# Altium PCB AUAV_X05.PcbDoc (part 5 of 5)
Units mm, origin at the board's own origin, x right, y up, seen from the top; angles counter-clockwise.
Board outline 44.99 x 99.99 mm, 4 copper layers (Top Layer, Int1 Layer, Int2 Layer, Bottom Layer), stack 1.587 mm thick; 376 components, 270 nets, 1466 pads, 1242 vias.
Unrouted connection lines stored in the file: 2.
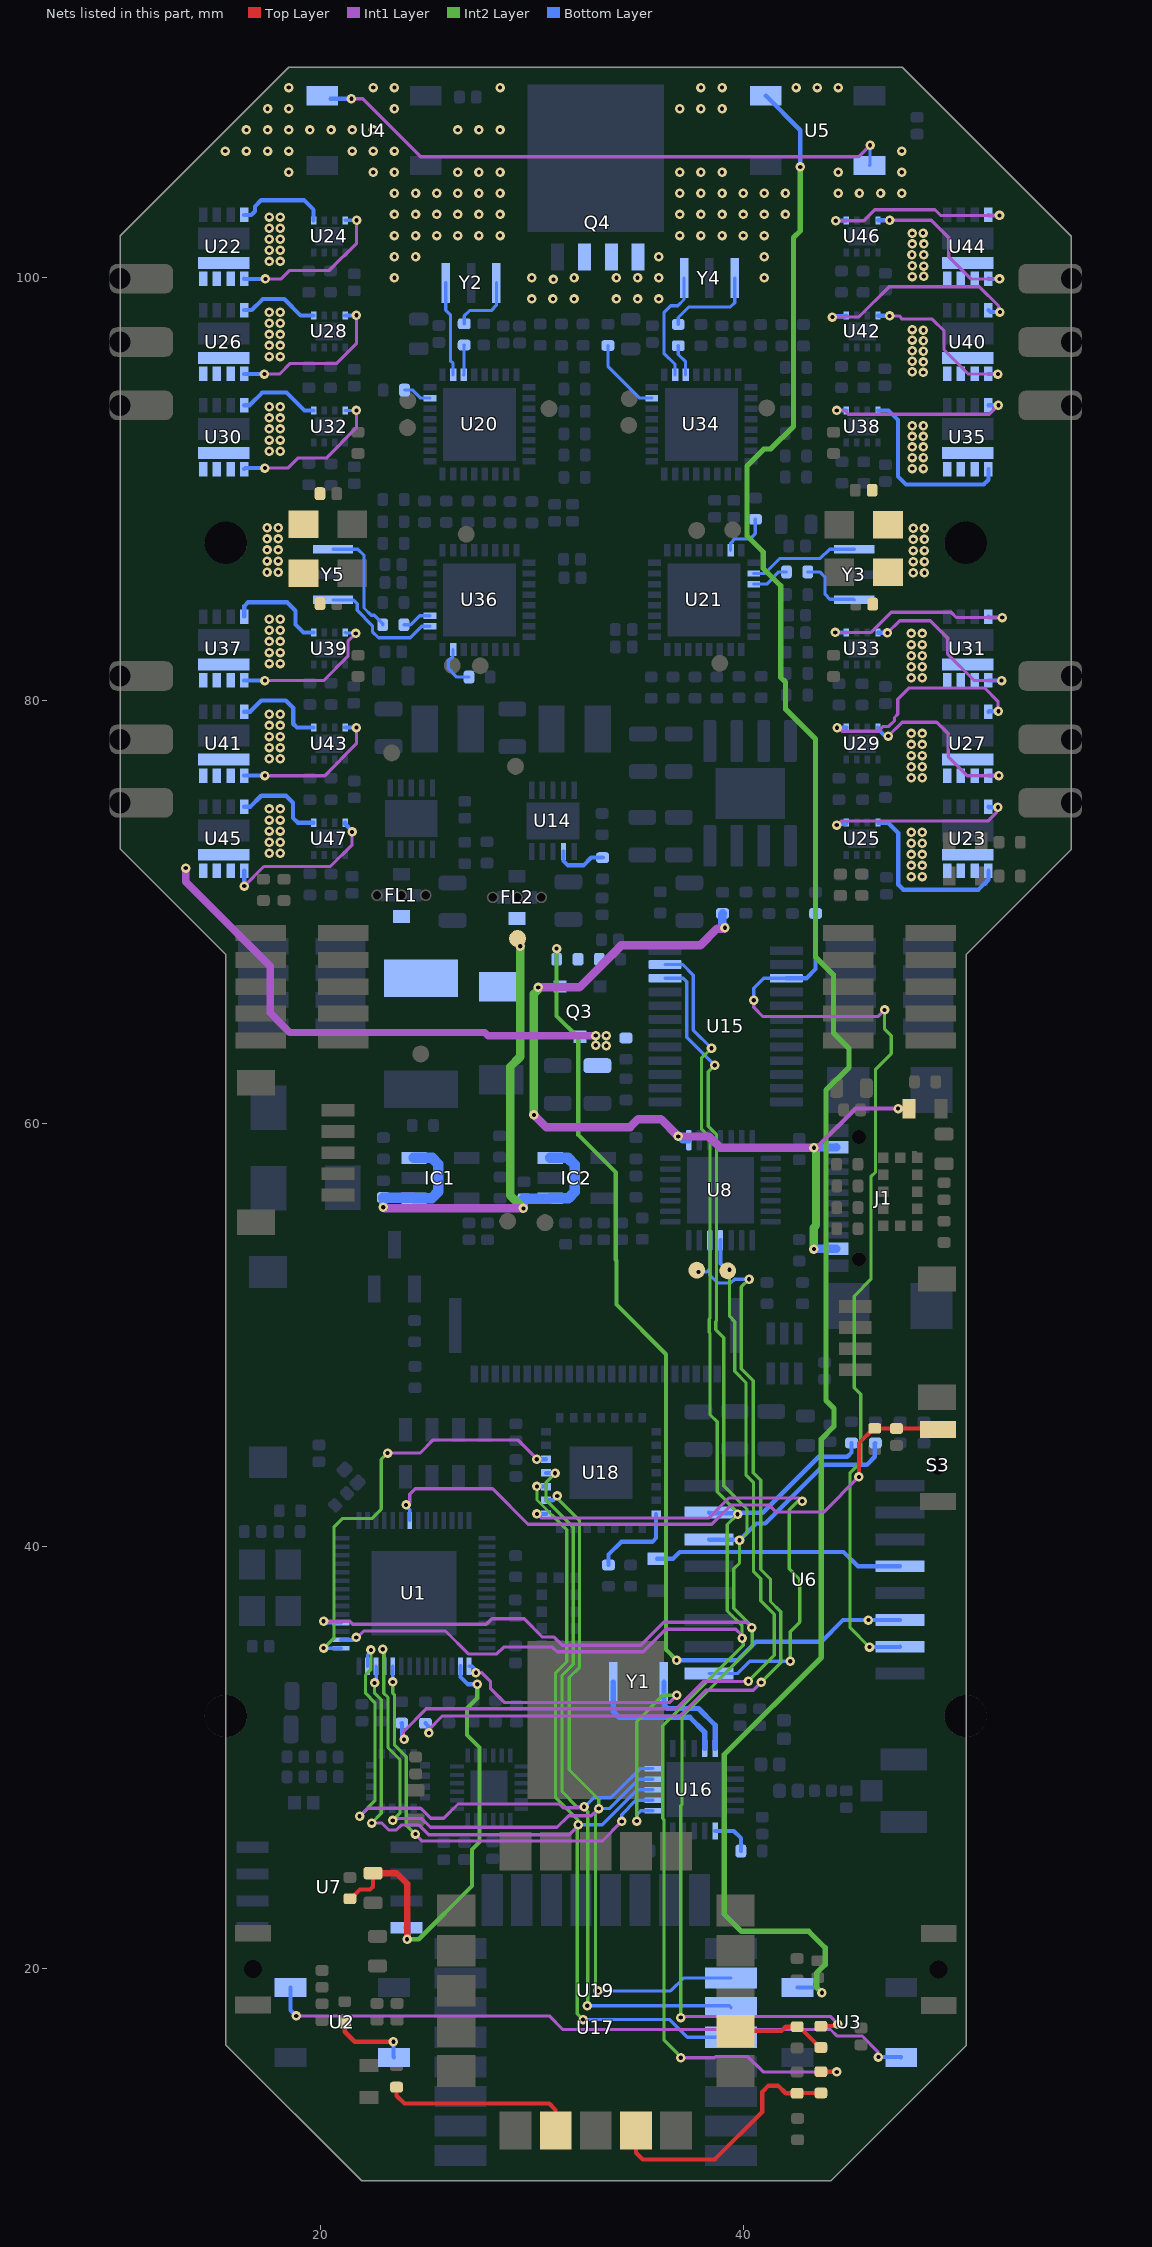
[diagram p7: the nets of this part, all layers, seen from the top]

## Via types
v1: diameter 0.45, hole 0.2, Top Layer to Bottom Layer, tented both sides, 1213 vias
v2: diameter 0.5, hole 0.25, Top Layer to Bottom Layer, 24 vias
v3: diameter 0.45, hole 0.2, Top Layer to Bottom Layer, 5 vias

## Nets (pads, with @x,y where several pads share a name; then routed paths per layer and width w, separated by ;. In a path a pad name is that pad's centre, name@x,y a point inside that pad or via, vN(x,y) a via of type N, cw(c..) or ccw(c..) an arc to the next point about the centre after c; other vN are vias at no path point) (continued)
NetR33_P$2: R33.P$2 U14.7 | length 2.5
  Bottom Layer w0.2: U14.7@31.5,72.866 31.5,72.417 31.71,72.207 32.446,72.207 32.81,72.572 R33.P$2@33.35,72.572
NetR62_P$2: R62.P$2 U16.16 | length 2
  Bottom Layer w0.2: U16.16@38.675,26.525 39.55,26.525 39.892,26.183 R62.P$2@39.892,25.575
NetR65_P$2: R65.P$2 U18.7 | length 4.2
  Bottom Layer w0.2: R65.P$2@33.625,39.108 33.625,39.6 34.227,40.202 35.702,40.202 35.879,40.379 U18.7@35.879,41.514
NetR66_P$1: R66.P$1 R68.P$2 U19.12 | length 4.5
  Top Layer w0.2: U19.12@39.625,17.064 41.814,17.064 42.013,17.263 R66.P$1@42.55,17.263 42.688,17.126 42.779,17.126 43.624,16.281 R68.P$2@43.675,16.281
NetR67_P$1: R67.P$1 R69.P$2 U19.9 | length 12.1
  Top Layer w0.2: U19.9@34.925,12.364 34.925,11.3 35.25,10.975 38.65,10.975 40.9,13.225 40.9,14.175 41.2,14.475 41.65,14.475 42.011,14.114 R67.P$1@42.55,14.114 42.559,14.122 43.667,14.122 R69.P$2@43.675,14.131
NetR70_P$2: R70.P$2 U19.7 | length 9.2
  Top Layer w0.2: R70.P$2@23.6,14.406 23.6,14 23.975,13.625 30.825,13.625 31.125,13.325 U19.7@31.125,12.364
NetR71_P$1: R71.P$1 U20.3 | length 1.4
  Bottom Layer w0.153: U20.3@26.775,95.413 26.788,95.426 26.788,96.807 R71.P$1@26.8,96.819
NetR71_P$2: R71.P$2 Y2.1 | length 3.2
  Bottom Layer w0.153: R71.P$2@26.8,97.827 26.8,98.2 27.05,98.45 28.075,98.45 28.325,98.7 Y2.1@28.325,99.763
NetR72_P$1: R72.P$1 U21.3 | length 1.8
  Bottom Layer w0.153: U21.3@40.5,85.514 41.114,85.514 41.688,86.088 R72.P$1@42.05,86.088
NetR72_P$2: R72.P$2 Y3.1 | length 3.2
  Bottom Layer w0.153: R72.P$2@43.058,86.088 43.612,86.088 43.875,85.825 43.875,85.025 44.1,84.8 45.214,84.8 Y3.1@45.25,84.763
NetR77_P$1: R77.P$1 U20.31 | length 1.4
  Bottom Layer w0.153: R77.P$1@23.975,94.688 24.361,94.688 24.736,94.314 U20.31@25.175,94.314
NetR78_P$1: R78.P$1 U21.31 | length 2.4
  Bottom Layer w0.153: U21.31@39.401,87.113 39.401,87.447 39.604,87.65 40.325,87.65 40.575,87.9 R78.P$1@40.575,88.575
NetR109_P$1: R109.P$1 U34.3 | length 1.5
  Bottom Layer w0.153: R109.P$1@36.925,96.789 36.925,96.375 37.275,96.025 U34.3@37.275,95.413
NetR109_P$2: R109.P$2 Y4.1 | length 4.5
  Bottom Layer w0.153: R109.P$2@36.925,97.796 36.925,98.125 37.421,98.621 39.396,98.621 39.6,98.825 Y4.1@39.6,99.988
NetR110_P$1: R110.P$1 U36.3 | length 1.4
  Bottom Layer w0.153: R110.P$1@23.95,83.588 24.263,83.588 24.688,84.013 U36.3@25.175,84.013
NetR110_P$2: R110.P$2 Y5.1 | length 5.3
  Bottom Layer w0.153: Y5.1@20.6,87.163 21.768,87.163 22.059,86.872 22.059,84.379 22.397,84.042 22.54,84.042 22.942,83.639 R110.P$2@22.942,83.588
NetR115_P$1: R115.P$1 U34.31 | length 3.7
  Bottom Layer w0.153: R115.P$1@33.6,96.8 33.6,95.825 35.111,94.314 U34.31@35.675,94.314
NetR116_P$1: R116.P$1 U36.31 | length 2.1
  Bottom Layer w0.153: U36.31@26.275,82.413 26.275,82.107 26.046,81.878 26.046,81.522 26.455,81.114 R116.P$1@27.025,81.114
NetR148_P$2: R148.P$2 U2.4 | length 3.7
  Top Layer w0.2: R148.P$2@21.15,17.442 21.15,17.025 21.625,16.55 v1(23.45,16.55)
  Bottom Layer w0.2: v1(23.45,16.55) 23.45,15.844 U2.4@23.48,15.814
NetU2_2: U2.2 U3.4 | length 31
  Int1 Layer w0.153: v1(18.85,17.775) 30.825,17.775 31.468,17.132 44.129,17.132 44.432,16.829 45.621,16.829 46.362,16.088 46.362,15.863 v1(46.4,15.825)
  Bottom Layer w0.2: U2.2@18.58,19.114 18.58,18.045 v1(18.85,17.775) ; v1(46.4,15.825) 47.459,15.825 U3.4@47.47,15.814
NetU3_2: U3.2 U5.4 | length 101.8
  Int2 Layer w0.25: v1(42.7,105.25) 42.7,102.225 42.375,101.9 42.375,92.975 41.3,91.9 40.975,91.9 40.175,91.1 40.175,87.8 40.95,87.025 40.95,86.258 41.773,85.436 41.773,81.102 42.004,80.871 42.004,79.596 43.425,78.175 43.425,67.875 44.275,67.025 44.275,64.275 45,63.55 45,62.65 43.92,61.57 43.92,46.89 44.298,46.513 44.298,45.673 43.696,45.071 43.696,34.726 39.1,30.13 39.1,22.6 39.925,21.775 43.1,21.775 43.875,21 43.875,20.2 43.475,19.8 43.475,19.125 v1(43.725,18.875)
  Bottom Layer w0.2: U5.4@41.07,108.614 42.7,106.984 v1(42.7,105.25) ; U3.2@42.57,19.114 43.486,19.114 v1(43.725,18.875)
NetU4_4: U4.4 U5.2 | length 27.9
  Int1 Layer w0.153: v1(21.464,108.475) 22,108.475 24.75,105.725 45.456,105.725 v1(46.004,106.273)
  Bottom Layer w0.153: U5.2@45.97,105.314 46.004,105.348 v1(46.004,106.273)
  Bottom Layer w0.2: U4.4@20.475,108.475 v1(21.464,108.475)
NetU16_9: U16.9 Y1.1 | length 6.9
  Bottom Layer w0.25: Y1.1@33.85,33.575 33.85,32.175 34.123,31.902 37.473,31.902 38.175,31.2 U16.9@38.175,30.425
NetU16_10: U16.10 Y1.3 | length 5
  Bottom Layer w0.25: Y1.3@36.25,33.575 36.25,32.5 36.431,32.319 37.881,32.319 38.675,31.525 U16.10@38.675,30.425
NetU20_2: U20.2 Y2.3 | length 4.5
  Bottom Layer w0.153: Y2.3@25.925,99.763 25.925,98.475 26.15,98.25 26.15,96.075 26.275,95.95 U20.2@26.275,95.413
NetU21_2: U21.2 Y3.3 | length 5.2
  Bottom Layer w0.153: U21.2@40.5,86.014 41.029,86.014 41.74,86.725 43.65,86.725 44.088,87.163 Y3.3@45.25,87.163
NetU22_1: U22.1 U24.8 | length 7.6
  Int1 Layer w0.153: v1(17.4,99.95) 18.15,99.95 18.55,100.35 20.426,100.35 21.71,101.634 v1(21.71,102.72)
  Bottom Layer w0.153: U24.8@21.175,102.722 21.176,102.721 v1(21.71,102.72) v1(21.71,102.72)
  Bottom Layer w0.2: U22.1@16.4,99.952 16.402,99.95 v1(17.4,99.95)
NetU22_8: U22.8 U24.5 | length 4.4
  Bottom Layer w0.2: U22.8@16.4,102.975 16.725,102.975 16.9,103.15 16.9,103.375 17.2,103.675 19.225,103.675 19.675,103.225 U24.5@19.675,102.722
NetU23_1: U23.1 U25.8 | length 8.6
  Bottom Layer w0.2: U25.8@46.375,74.223 46.852,74.223 47.332,73.743 47.332,71.293 47.57,71.055 51.131,71.055 51.6,71.524 U23.1@51.6,71.952
NetU23_8: U23.8 U25.5 | length 9.1
  Int1 Layer w0.153: v1(44.423,74.112) 44.492,74.182 44.524,74.182 44.642,74.3 51.575,74.3 51.875,74.6 51.986,74.711 51.986,74.737 52.003,74.753 52.003,74.903 v1(52.05,74.95)
  Bottom Layer w0.2: v1(44.423,74.112) 44.48,74.17 44.848,74.17 44.875,74.197 U25.5@44.875,74.223 ; U23.8@51.6,74.974 51.624,74.95 v1(52.05,74.95)
NetU26_1: U26.1 U28.8 | length 7.8
  Int1 Layer w0.153: v1(17.35,95.45) 18.075,95.45 18.575,95.95 20.775,95.95 21.7,96.875 v1(21.7,98.225)
  Bottom Layer w0.2: U26.1@16.4,95.452 16.402,95.45 v1(17.35,95.45) ; U28.8@21.175,98.222 21.177,98.224 v1(21.7,98.225) v1(21.7,98.225)
NetU26_8: U26.8 U28.5 | length 3.8
  Bottom Layer w0.2: U26.8@16.4,98.475 16.75,98.475 17.275,99 18.286,99 19.064,98.222 U28.5@19.675,98.222
NetU27_1: U27.1 U29.8 | length 8.4
  Int1 Layer w0.153: v1(46.865,78.324) 46.869,78.324 47.519,78.975 49.15,78.975 49.7,78.425 49.7,77.35 50.6,76.45 v1(52.1,76.45)
  Bottom Layer w0.2: U29.8@46.375,78.722 46.402,78.695 46.402,78.631 46.661,78.372 46.817,78.372 v1(46.865,78.324) ; U27.1@51.6,76.453 51.603,76.45 v1(52.1,76.45)
NetU27_8: U27.8 U29.5 | length 10.7
  Int1 Layer w0.153: v1(44.439,78.711) 44.516,78.711 44.677,78.55 46.387,78.55 46.615,78.778 46.891,78.778 47.156,79.044 47.156,79.201 47.316,79.36 47.316,80.068 47.848,80.6 51.415,80.6 52.049,79.966 52.049,79.526 v1(52.075,79.5)
  Bottom Layer w0.2: v1(44.439,78.711) 44.446,78.718 44.872,78.718 U29.5@44.875,78.722 ; U27.8@51.6,79.475 51.625,79.5 v1(52.075,79.5)
NetU30_1: U30.1 U32.8 | length 7.5
  Int1 Layer w0.153: v1(17.375,91) 18.45,91 18.925,91.475 20.274,91.475 21.7,92.901 v1(21.7,93.725)
  Bottom Layer w0.153: U32.8@21.175,93.722 U32.8@21.175,93.722 21.699,93.724 v1(21.7,93.725)
  Bottom Layer w0.2: U30.1@16.4,90.952 16.448,91 v1(17.375,91)
NetU30_8: U30.8 U32.5 | length 3.9
  Bottom Layer w0.2: U30.8@16.4,93.975 16.65,93.975 17.25,94.575 18.389,94.575 19.242,93.722 U32.5@19.675,93.722
NetU31_1: U31.1 U33.8 | length 8.3
  Int1 Layer w0.153: v1(46.825,83.2) 47.4,83.775 48.85,83.775 49.675,82.95 49.675,82.2 50.925,80.95 v1(52.225,80.95)
  Bottom Layer w0.2: U33.8@46.375,83.223 46.386,83.211 46.814,83.211 v1(46.825,83.2) ; U31.1@51.6,80.952 51.602,80.95 v1(52.225,80.95)
NetU31_8: U31.8 U33.5 | length 9.6
  Int1 Layer w0.153: v1(44.35,83.225) 46.05,83.225 47,84.175 49.842,84.175 50.092,83.925 v1(52.25,83.925)
  Bottom Layer w0.2: v1(44.35,83.225) 44.351,83.224 U33.5@44.875,83.223 U33.5@44.875,83.223 ; U31.8@51.6,83.974 51.649,83.925 v1(52.25,83.925)
NetU34_2: U34.2 Y4.3 | length 5.4
  Bottom Layer w0.153: U34.2@36.775,95.413 36.775,95.9 36.25,96.425 36.25,98.35 36.575,98.675 36.899,98.675 37.2,98.976 Y4.3@37.2,99.988
NetU35_1: U35.1 U38.8 | length 8.8
  Bottom Layer w0.2: U38.8@46.375,93.722 46.879,93.722 47.325,93.277 47.325,90.6 47.7,90.225 51.375,90.225 51.6,90.45 U35.1@51.6,90.952
NetU35_8: U35.8 U38.5 | length 8.8
  Int1 Layer w0.153: v1(44.425,93.725) 44.798,93.725 44.973,93.55 51.65,93.55 v1(52.075,93.975)
  Bottom Layer w0.2: v1(44.425,93.725) 44.426,93.724 U38.5@44.875,93.722 U38.5@44.875,93.722 ; U35.8@51.6,93.975 v1(52.075,93.975)
NetU36_2: U36.2 Y5.3 | length 5.9
  Bottom Layer w0.153: Y5.3@20.6,84.763 21.558,84.763 21.738,84.583 21.738,84.269 22.459,83.548 22.459,83.263 22.748,82.975 24.25,82.975 24.788,83.513 U36.2@25.175,83.513
NetU37_1: U37.1 U39.8 | length 7.1
  Int1 Layer w0.153: v1(17.375,80.95) 20.159,80.95 21.3,82.091 21.3,82.799 21.673,83.172 v1(21.673,83.177)
  Bottom Layer w0.153: U39.8@21.175,83.222 21.198,83.2 21.65,83.2 v1(21.673,83.177)
  Bottom Layer w0.2: U37.1@16.4,80.952 16.402,80.95 v1(17.375,80.95)
NetU37_8: U37.8 U39.5 | length 4.8
  Bottom Layer w0.2: U37.8@16.4,83.974 16.4,84.475 16.575,84.65 18.425,84.65 18.825,84.25 18.825,83.6 19.203,83.222 U39.5@19.675,83.222
NetU40_1: U40.1 U42.8 | length 7.8
  Int1 Layer w0.153: v1(46.925,98.2) 47.375,98.2 47.525,98.05 48.95,98.05 49.5,97.5 49.5,96.6 50.65,95.45 v1(52.05,95.45)
  Bottom Layer w0.2: U42.8@46.375,98.222 46.386,98.211 46.914,98.211 v1(46.925,98.2) ; U40.1@51.6,95.452 51.602,95.45 v1(52.05,95.45)
NetU40_8: U40.8 U42.5 | length 10.4
  Int1 Layer w0.153: v1(44.223,98.146) 45.471,98.146 46.9,99.575 51.175,99.575 52.078,98.672 52.078,98.617 52.091,98.604 52.091,98.436 v1(52.148,98.379)
  Bottom Layer w0.2: v1(44.223,98.146) 44.261,98.184 44.848,98.184 44.875,98.211 U42.5@44.875,98.222 ; U40.8@51.6,98.475 51.696,98.379 v1(52.148,98.379)
NetU41_1: U41.1 U43.8 | length 7.2
  Int1 Layer w0.153: v1(17.375,76.45) 20.195,76.45 21.7,77.955 v1(21.7,78.725)
  Bottom Layer w0.2: U41.1@16.4,76.453 16.403,76.45 v1(17.375,76.45) ; U43.8@21.175,78.722 21.177,78.724 v1(21.7,78.725) v1(21.7,78.725)
NetU41_8: U41.8 U43.5 | length 4.5
  Bottom Layer w0.2: U41.8@16.4,79.475 16.675,79.475 17.2,80 18.358,80 18.714,79.643 18.714,78.905 18.897,78.722 U43.5@19.675,78.722
NetU44_1: U44.1 U46.8 | length 8
  Int1 Layer w0.153: v1(46.925,102.725) 48.9,102.725 49.725,101.9 49.725,101 50.775,99.95 v1(52.125,99.95)
  Bottom Layer w0.2: U46.8@46.375,102.722 46.377,102.724 46.924,102.724 v1(46.925,102.725) ; U44.1@51.6,99.952 51.602,99.95 v1(52.125,99.95)
NetU44_8: U44.8 U46.5 | length 9.1
  Int1 Layer w0.153: v1(44.375,102.7) 45.7,102.7 46.225,103.225 49.075,103.225 49.35,102.95 v1(52.125,102.95)
  Bottom Layer w0.2: v1(44.375,102.7) 44.386,102.711 44.864,102.711 U46.5@44.875,102.722 ; U44.8@51.6,102.975 51.625,102.95 v1(52.125,102.95)
NetU45_1: U45.1 U47.8 | length 7.8
  Int1 Layer w0.153: v1(16.4,71.225) 17.325,72.15 20.472,72.15 21.498,73.175 v1(21.498,73.788)
  Bottom Layer w0.2: v1(16.4,71.225) U45.1@16.4,71.952 ; U47.8@21.175,74.222 21.175,74.159 21.498,73.836 v1(21.498,73.788)
NetU45_8: U45.8 U47.5 | length 4.4
  Bottom Layer w0.2: U45.8@16.4,74.974 16.674,74.974 17.2,75.5 18.367,75.5 18.703,75.165 18.703,74.449 18.93,74.222 U47.5@19.675,74.222
NRF_CE: U1.29 U16.1 | length 19
  Int1 Layer w0.153: v1(27.355,34.014) 27.361,34.008 27.631,34.008 28.047,33.592 28.047,33.255 28.695,32.607 36.525,32.607 v1(36.859,32.941)
  Int2 Layer w0.153: v1(34.959,26.991) 34.959,31.7 36.201,32.941 v1(36.859,32.941)
  Bottom Layer w0.153: U1.29@27.025,34.318 27.192,34.318 v1@27.307,34.203 ; v1(34.959,26.991) 34.975,27.006 34.975,27.3 35.15,27.475 U16.1@35.725,27.475
NRF_CSN: U1.38 U16.2 | length 20.7
  Int1 Layer w0.153: v1(24.491,26.374) 24.82,26.045 33.32,26.045 v1(34.25,26.975)
  Int2 Layer w0.153: v1(23.421,33.575) 23.421,33.046 23.5,32.967 23.5,30.595 24.064,30.031 24.064,26.801 v1(24.491,26.374)
  Bottom Layer w0.153: v1(23.421,33.575) 23.421,33.661 23.425,33.665 U1.38@23.425,34.318 ; v1(34.25,26.975) 34.25,27.3 34.925,27.975 U16.2@35.725,27.975
PERIPH_SCL: R47.P$2 R68.P$1 U1.46 U6.14 U15.22 | length 94.5
  Top Layer w0.2: R68.P$1@43.675,17.288 43.681,17.294 44.34,17.294 44.43,17.384 v1(44.484,17.384)
  Int1 Layer w0.153: v1(20.15,36.45) 21.383,36.45 21.532,36.301 27.851,36.301 28.113,36.563 29.639,36.563 30.506,35.696 31.054,35.696 31.444,35.306 35.15,35.306 36.24,36.396 40.152,36.396 v1(40.402,36.146) ; v1(37.046,17.697) 37.093,17.744 37.71,17.744 37.716,17.75 44.117,17.75 v1(44.484,17.384)
  Int2 Layer w0.153: v1(37.046,17.697) 37.046,27.727 37.106,27.787 37.106,31.938 40.429,35.26 40.429,36.119 v1(40.402,36.146) ; v1(38.65,62.75) 38.35,62.45 38.35,59.857 38.73,59.476 38.73,50.653 38.696,50.619 38.696,50.243 39.075,49.865 39.075,42.85 40.178,41.747 40.178,40.628 v1(39.825,40.275) 39.825,39.199 39.55,38.924 39.55,37.057 v1@40.429,36.178
  Bottom Layer w0.153: v1(20.15,36.45) 20.217,36.45 20.303,36.363 U1.46@20.98,36.363 ; U15.22@36.305,66.863 37.167,66.863 37.334,66.696 37.334,64.066 v1(38.65,62.75)
  Bottom Layer w0.2: U6.14@38.379,40.318 38.401,40.297 39.803,40.297 v1(39.825,40.275) 40.619,41.069 41.044,41.069 43.825,43.85 45.85,43.85 46.225,44.225 46.225,44.855 R47.P$2@46.25,44.88
PERIPH_SDA: R59.P$2 R69.P$1 U1.44 U6.15 U15.23 | length 93.8
  Top Layer w0.2: R69.P$1@43.675,15.138 43.682,15.132 44.418,15.132 v1(44.425,15.125)
  Int1 Layer w0.153: v1(21.697,35.678) 21.747,35.678 22.053,35.985 25.915,35.985 27,34.9 28.35,34.9 28.675,35.225 30.97,35.225 31.194,35.001 35.276,35.001 36.341,36.066 39.652,36.066 39.946,35.771 39.944,35.769 v1(39.944,35.643) ; v1(37.05,15.795) 38.644,15.795 38.698,15.85 40.225,15.85 40.95,15.125 v1(44.425,15.125)
  Int2 Layer w0.153: v1(37.05,15.795) 37.05,15.85 36.25,16.65 36.25,27.063 36.199,27.114 36.199,31.499 40,35.3 40,35.587 v1(39.944,35.643) ; v1(38.5,63.55) 38.025,63.075 38.025,59.75 38.425,59.35 38.425,50.78 38.391,50.746 38.391,50.117 38.425,50.083 38.425,46.225 38.77,45.88 38.77,42.567 39.728,41.609 39.728,41.519 v1(39.735,41.512) ; v1@39.735,41.467 39.69,41.467 39.245,41.022 39.245,36.93 39.948,36.227 39.948,35.769 v1@40,35.717
  Bottom Layer w0.153: U15.23@36.305,67.513 37.136,67.513 37.64,67.01 37.64,64.41 v1(38.5,63.55)
  Bottom Layer w0.2: U1.44@20.98,35.563 21.528,35.563 21.643,35.678 v1(21.697,35.678) ; U6.15@38.379,41.588 38.417,41.55 39.697,41.55 v1(39.735,41.512) 39.762,41.512 39.825,41.575 40.925,41.575 43.575,44.225 44.925,44.225 45.125,44.425 R59.P$2@45.125,44.88
PMW_CS: U1.43 U18.19 | length 20.3
  Int1 Layer w0.153: v1(23.175,44.4) 24.709,44.4 25.333,45.024 29.336,45.024 30.236,44.124 v1(30.236,44.104)
  Int2 Layer w0.153: v1(20.15,35.175) 20.645,35.67 20.645,40.92 21.025,41.3 22.425,41.3 22.875,41.75 22.875,44.1 v1(23.175,44.4)
  Bottom Layer w0.153: v1(20.15,35.175) 20.156,35.169 20.974,35.169 U1.43@20.98,35.163
  Bottom Layer w0.2: v1(30.236,44.104) 30.24,44.109 30.667,44.109 U18.19@30.672,44.113
PMW_LED: LED1.C U6.4 | length 11.9
  Bottom Layer w0.2: LED1.C@35.925,39.4 36.675,39.4 37,39.725 44.75,39.725 45.427,39.048 U6.4@47.421,39.048
PMW_MOTION: U6.9 U18.15 | length 26
  Int1 Layer w0.153: v1(30.243,41.525) 30.256,41.525 30.445,41.336 38.386,41.336 39.325,42.275 42.637,42.275 42.787,42.125 v1(42.79,42.125)
  Int2 Layer w0.153: v1(42.226,34.55) 42.225,34.551 42.225,35.95 42.68,36.405 42.68,38.42 42.175,38.925 42.175,41.725 42.574,42.124 42.788,42.124 v1(42.79,42.125)
  Bottom Layer w0.153: U6.9@38.379,33.968 39.719,33.968 40.3,34.55 v1(42.226,34.55)
  Bottom Layer w0.2: v1(30.243,41.525) 30.255,41.514 U18.15@30.672,41.514
RXD: R4.P$1 TP1.1 U8.25 | length 41
  Int1 Layer w0.153: v1(23.955,30.853) 23.932,30.877 23.932,31.228 25.005,32.301 36.826,32.301 38.125,33.6 40.239,33.6 v1(40.248,33.609)
  Int2 Layer w0.153: v1(39.354,53.075) 39.354,50.87 39.604,50.619 39.604,48.265 40.13,47.739 40.13,43.375 40.483,43.022 40.483,38.803 40.83,38.456 40.83,37.407 41.467,36.77 41.467,34.827 41.408,34.769 v1(40.248,33.609)
  Bottom Layer w0.2: R4.P$1@23.845,31.629 23.857,31.617 23.857,31.006 23.955,30.907 v1(23.955,30.853) ; U8.25@38.925,54.468 38.925,53.375 39.225,53.075 v1(39.354,53.075)
SAFETY_SW: C25.P$1 R19.P$2 S3.2 U1.7 | length 30.4
  Top Layer w0.2: v1(45.475,43.275) 45.475,44.872 46.174,45.571 R19.P$2@46.225,45.571 46.229,45.567 47.246,45.567 C25.P$1@47.25,45.563 49.175,45.563 S3.2@49.225,45.513
  Int1 Layer w0.153: v1(24.048,41.947) 24.115,41.947 24.202,42.034 24.225,42.034 24.225,42.45 24.484,42.709 28.141,42.709 29.82,41.03 38.512,41.03 39.423,41.941 41.231,41.941 41.564,41.608 43.808,41.608 v1(45.475,43.275)
  Bottom Layer w0.153: v1(24.048,41.947) 24.056,41.939 24.056,41.892 24.225,41.723 U1.7@24.225,41.209
SPI_CLK: U1.40 U16.3 U17.20 U18.17 | length 56.7
  Int1 Layer w0.153: v1(22.425,26.9) 22.9,26.9 23.231,26.569 23.587,26.569 23.821,26.803 24.668,26.803 25.121,26.35 31.777,26.35 32.196,26.769 v1(32.196,26.814)
  Int2 Layer w0.152: v1(30.243,42.825) 30.243,42.182 31.65,40.775 31.65,34.531 31.125,34.006 31.125,28.1 32.173,27.052 32.173,26.838 v1(32.196,26.814) 32.15,26.768 32.15,17.875 v1(32.425,17.6)
  Int2 Layer w0.153: v1(22.425,26.9) 22.881,27.356 22.881,32.722 22.563,33.04 v1(22.563,33.525)
  Bottom Layer w0.152: v1(32.425,17.6) 36.525,17.6 37.362,16.763 U17.20@39.425,16.763
  Bottom Layer w0.153: U1.40@22.625,34.318 22.64,34.304 v1@22.64,33.615 ; v1(32.196,26.814) 33.328,26.814 33.805,27.291 34.675,28.162 34.988,28.475 U16.3@35.725,28.475
  Bottom Layer w0.2: v1(30.243,42.825) 30.249,42.819 30.666,42.819 U18.17@30.672,42.814
SPI_MISO: U1.41 U16.5 U17.19 U18.18 | length 58.8
  Int1 Layer w0.153: v1(21.85,27.225) 22.225,27.6 24.735,27.6 25.213,27.122 25.829,27.122 26.507,27.8 31.303,27.8 31.479,27.624 32.428,27.624 v1(32.472,27.669)
  Int2 Layer w0.153: v1(21.85,27.225) 22.576,27.951 22.576,32.596 22.134,33.037 22.134,33.904 22.385,34.155 v1(22.385,35.09) ; v1(31.1,43.45) 30.675,43.025 30.675,42.181 30.774,42.083 31.316,41.541 31.955,40.901 31.955,34.405 31.43,33.88 31.43,28.37 32.151,27.649 32.453,27.649 v1(32.472,27.669) 32.472,27.608 32.65,27.431 32.65,18.275 v1(32.625,18.25)
  Bottom Layer w0.153: U1.41@22.225,34.318 22.225,34.863 22.385,35.023 v1(22.385,35.09) ; v1(32.472,27.669) 32.512,27.669 32.933,28.09 33.74,28.09 34.064,28.415 35.125,29.475 U16.5@35.725,29.475 ; v1(32.625,18.25) 39.339,18.25 U17.19@39.425,18.163
  Bottom Layer w0.2: U18.18@30.672,43.463 31.087,43.463 v1(31.1,43.45)
SPI_MOSI: U1.39 U16.4 U17.18 U18.16 | length 54.8
  Int1 Layer w0.153: v1(23.42,27.019) 23.486,27.019 23.575,27.108 24.795,27.108 25.207,26.696 31.192,26.696 31.739,27.243 32.419,27.243 32.422,27.24 32.82,27.24 v1(33.163,27.583)
  Int2 Layer w0.153: v1(22.946,35.125) 22.992,35.079 22.992,33.043 23.194,32.841 23.194,30.469 23.759,29.905 23.759,27.359 v1@23.42,27.02 ; v1(31.203,42.375) 31.203,42.26 32.26,41.203 32.26,34.279 31.766,33.784 31.766,29.409 33.163,28.012 33.163,27.517 33.011,27.364 33.011,19.088 33.028,19.072 33.028,19.057 v1(33.129,18.955)
  Bottom Layer w0.153: v1(22.946,35.125) 23.013,35.058 23.013,34.331 U1.39@23.025,34.318 ; v1(33.129,18.955) 36.566,18.955 37.174,19.563 U17.18@39.425,19.563 ; v1(33.163,27.583) 33.665,27.583 34.37,28.288 35.056,28.975 U16.4@35.725,28.975
  Bottom Layer w0.2: U18.16@30.672,42.164 30.678,42.169 30.993,42.169 31.199,42.375 v1(31.203,42.375)
TCA_RST: R48.P$2 U6.7 U15.3 | length 46.5
  Int1 Layer w0.153: v1(40.504,65.825) 40.504,65.483 40.937,65.05 46.375,65.05 v1(46.691,65.366)
  Int2 Layer w0.153: v1(45.975,35.225) 45.046,36.154 45.046,43.453 45.556,43.963 45.556,47.187 45.25,47.493 45.25,51.825 46.044,52.619 46.044,57.481 46.261,57.699 46.261,62.561 47,63.3 47,64.15 46.691,64.459 v1(46.691,65.366)
  Bottom Layer w0.152: v1(40.504,65.825) 40.5,65.829 40.5,66.4 40.963,66.863 U15.3@42.045,66.863
  Bottom Layer w0.2: U15.3@42.045,66.863 42.988,66.863 43.425,67.3 R48.P$2@43.425,69.93 ; v1(45.975,35.225) 45.982,35.232 47.415,35.232 U6.7@47.421,35.238
TXD: R5.P$1 TP2.1 U8.26 | length 42
  Int1 Layer w0.153: v1(25.131,31.165) 25.129,31.167 25.129,31.318 25.775,31.964 37.014,31.964 38.233,33.183 40.026,33.183 40.029,33.18 40.48,33.18 v1(40.85,33.55)
  Int2 Layer w0.153: v1(40.278,52.628) 39.91,52.26 39.91,48.392 40.471,47.83 40.471,43.466 40.825,43.112 40.825,38.893 41.291,38.427 41.291,37.378 41.772,36.896 41.772,34.472 v1(40.85,33.55)
  Bottom Layer w0.153: v1(37.888,52.962) 38.263,52.962 38.425,53.125 ; U8.26@38.425,54.468 38.425,53.125 ; v1(40.278,52.628) 39.595,52.628 39.417,52.45 38.8,52.45 38.425,52.825 38.425,53.125
  Bottom Layer w0.2: R5.P$1@24.965,31.619 25.093,31.491 25.093,31.203 v1(25.131,31.165)
VBAT: C42.P$2 C75.1 C76.P$1 C77.1 C78.P$1 C97.1 C98.P$1 C99.1 C100.P$1 Q3.3 Q4.1 Q4.2 Q4.3 R31.P$1 U22.2 U22.3 U22.4 U22.10 U23.2 U23.3 U23.4 U23.10 U26.2 U26.3 U26.4 U26.10 U27.2 U27.3 U27.4 U27.10 U30.2 U30.3 U30.4 U30.10 U31.2 U31.3 U31.4 U31.10 U35.2 U35.3 U35.4 U35.10 U37.2 U37.3 U37.4 U37.10 U40.2 U40.3 U40.4 U40.10 U41.2 U41.3 U41.4 U41.10 U44.2 U44.3 U44.4 U44.10 U45.2 U45.3 U45.4 U45.10 | length 24.4
  Int1 Layer w0.35: v1(13.625,72.075) 13.625,71.425 17.625,67.425 17.625,65.225 18.55,64.3 27.775,64.3 27.925,64.15 v1(33.025,64.15)
  other v1: 33.525,63.675 33.025,63.7 33.525,64.15 47.95,71.677 48.475,71.677 47.95,72.2 48.475,72.2 47.95,72.725 48.475,72.725 17.575,72.775 18.1,72.775 47.95,73.25 48.475,73.25 17.575,73.3 18.1,73.3 47.95,73.775 48.475,73.775 17.575,73.825 18.1,73.825 17.575,74.35 18.1,74.35 17.575,74.875 18.1,74.875 47.95,76.35 48.475,76.35 47.95,76.875 48.475,76.875 17.575,77.25 18.1,77.25 47.95,77.4 48.475,77.4 17.575,77.775 18.1,77.775 47.95,77.925 48.475,77.925 17.575,78.3 18.1,78.3 47.95,78.448 48.475,78.448 17.575,78.825 18.1,78.825 17.575,79.35 18.1,79.35 47.95,81.079 48.475,81.079 47.95,81.6 48.475,81.6 17.575,81.75 18.1,81.75 47.95,82.125 48.475,82.125 17.575,82.275 18.1,82.275 47.95,82.65 48.475,82.65 17.575,82.8 18.1,82.8 47.95,83.175 48.475,83.175 17.575,83.325 18.1,83.325 17.575,83.85 18.1,83.85 48.05,86.05 48.575,86.05 17.475,86.075 18,86.075 48.05,86.575 48.575,86.575 17.475,86.6 18,86.6 48.05,87.1 48.575,87.1 17.475,87.125 18,87.125 48.05,87.625 48.575,87.625 17.475,87.65 18,87.65 48.05,88.15 48.575,88.15 17.475,88.175 18,88.175 48,90.975 48.525,90.975 48,91.498 48.525,91.498 17.575,91.8 18.1,91.8 48,91.998 48.525,91.998 17.575,92.325 18.1,92.325 48,92.498 48.525,92.498 17.575,92.85 18.1,92.85 48,92.998 48.525,92.998 17.575,93.375 18.1,93.375 17.575,93.9 18.1,93.9 48.52,95.523 48,95.554 48.525,96.023 48,96.054 17.575,96.275 18.1,96.275 48.525,96.523 48,96.554 17.575,96.8 18.1,96.8 48.525,97.023 48,97.054 17.575,97.325 18.1,97.325 48.525,97.523 48,97.554 17.575,97.85 18.1,97.85 17.575,98.375 18.1,98.375 30,99 31,99 32,99 34,99 35,99 36,99 31.025,99.925 23.5,100 30,100 32,100 34,100 35,100 36,100 41,100 47.999,100.062 48.539,100.07 48.547,100.559 47.995,100.575 17.575,100.775 18.1,100.775 23.5,101 24.5,101 36,101 41,101 47.983,101.091 48.547,101.091 17.575,101.3 18.1,101.3 48,101.602 48.551,101.604 17.575,101.825 18.1,101.825 23.5,102 24.5,102 25.5,102 26.5,102 27.5,102 28.5,102 37,102 38,102 39,102 40,102 41,102 48,102.102 48.511,102.117 17.575,102.35 18.1,102.35 17.575,102.875 18.1,102.875 23.5,103 24.5,103 25.5,103 26.5,103 27.5,103 28.5,103 37,103 38,103 39,103 40,103 41,103 42,103 23.5,104 24.5,104 25.5,104 26.5,104 27.5,104 28.5,104 37,104 38,104 39,104 40,104 41,104 42,104 44.5,104 45.5,104 46.5,104 47.5,104 18.5,105 22.5,105 23.5,105 26.5,105 27.5,105 28.5,105 37,105 38,105 39,105 44.5,105 47.5,105 15.5,106 16.5,106 17.5,106 18.5,106 21.5,106 22.5,106 23.5,106 47.5,106 16.5,107 17.5,107 18.5,107 19.5,107 20.5,107 21.5,107 22.5,107 26.5,107 27.5,107 28.5,107 17.5,108 18.5,108 23.5,108 37,108 38,108 39,108 18.5,109 22.5,109 23.5,109 28.5,109 38,109 39,109 42.5,109 43.5,109 44.5,109
VBUS: D1.2 J1.A4/B9 J1.B4/A9 LED4.A Q3.1 R24.P$2 R34.P$2 R35.P$2 U8.8 | length 44
  Top Layer w0.2: v1(47.325,60.7) 47.827,60.7 LED4.A@47.838,60.688
  Int1 Layer w0.2: v1(43.343,58.85) 43.475,58.85 45.325,60.7 v1(47.325,60.7)
  Int1 Layer w0.4: v1(30.1,60.4) 30.675,59.825 34.65,59.825 35.025,60.2 36.107,60.2 v1(36.928,59.378) 38.372,59.378 38.9,58.85 v1@43.475,58.85 ; v1(30.3,66.429) 32.247,66.429 34.243,68.425 37.975,68.425 38.762,69.212 39.097,69.212 v1(39.135,69.25)
  Int2 Layer w0.4: v1(30.1,60.4) 30.1,66.121 30.3,66.321 v1(30.3,66.429) ; v1(43.343,54.05) 43.343,55.071 43.443,55.171 43.443,58.696 43.343,58.796 v1(43.343,58.85)
  Bottom Layer w0.3: v1(36.928,59.378) 36.955,59.378 37.125,59.208 U8.8@37.425,59.208
  Bottom Layer w0.4: R24.P$2@39.025,69.93 39.025,69.889 39.013,69.876 39.013,69.426 39.135,69.304 v1(39.135,69.25) ; v1(43.343,54.05) 43.35,54.057 44.394,54.057 J1.B4/A9@44.4,54.063 ; v1(43.343,58.85) 43.35,58.857 44.394,58.857 J1.A4/B9@44.4,58.863
VBUS_VALID: R34.P$1 U6.6 | length 47.9
  Int2 Layer w0.2: v1(31.17,68.268) 31.17,65.08 32.2,64.05 32.2,59.45 33.975,57.675 33.975,53.55 34,53.525 34,51.425 36.35,49.075 36.35,35.1 v1(36.85,34.6)
  Bottom Layer w0.2: v1(31.17,68.268) 31.173,68.266 31.173,67.766 R34.P$1@31.175,67.763 ; v1(36.85,34.6) 39.725,34.6 40.6,35.475 43.7,35.475 44.725,36.5 v1(45.925,36.5) 45.929,36.504 47.417,36.504 U6.6@47.421,36.508
VCC_SPI: C24.P$1 R15.P$2 U1.30 U7.8 | length 22.7
  Top Layer w0.2: R15.P$2@21.392,23.317 21.443,23.317 21.876,23.75 22.35,23.75 22.488,23.888 C24.P$1@22.488,24.525
  Top Layer w0.3: C24.P$1@22.488,24.525 23.6,24.525 23.774,24.351 24.1,24.025 v1(24.1,21.4)
  Int2 Layer w0.2: v1(24.1,21.4) 24.65,21.4 27.175,23.925 27.175,25.65 27.525,26 27.525,27.925 27.523,27.927 27.523,30.474 26.93,31.067 26.93,32.33 27.416,32.816 v1(27.416,33.465)
  Bottom Layer w0.2: U1.30@26.625,34.318 26.627,34.317 26.627,33.813 26.892,33.549 26.976,33.465 v1(27.416,33.465)
  Bottom Layer w0.3: U7.8@24.07,21.945 24.1,21.915 v1(24.1,21.4)
VSYS: C47.P$2 C52.P$2 F1.2 FL1.1 FL2.1 IC1.1 IC1.3 IC2.1 IC2.3 TP7.1 | length 30.8
  Int1 Layer w0.4: v1(22.975,56.035) 23.035,55.975 v1(29.6,55.975)
  Int2 Layer w0.4: v1(29.45,68.375) 29.45,63.148 28.975,62.673 28.975,56.6 v1(29.6,55.975)
  Bottom Layer w0.4: v1(22.975,56.035) 22.975,56.05 C47.P$2@22.975,56.489 ; v1(29.6,55.975) 29.625,56 C52.P$2@29.625,56.439
  Bottom Layer w0.5: C47.P$2@22.975,56.489 22.979,56.484 24.404,56.484 IC1.1@24.425,56.463 25.264,56.463 25.575,56.775 25.575,58.071 25.282,58.364 IC1.3@24.425,58.364 ; C52.P$2@29.625,56.439 29.629,56.443 30.854,56.443 IC2.1@30.875,56.463 31.732,56.463 32.025,56.756 32.025,58.05 31.711,58.364 IC2.3@30.875,58.364
pads on no net: E1.2 IC3.8 IC4.8 J1. J1.A8 J1.B8 J2.1 J2.23 J2.24 LS1.NC S1.3 S2.3 S3.3 U4.2 U6.11 U6.12 U6.13 U8.1 U8.2 U8.10 U8.11 U8.12 U8.13 U8.14 U8.15 U8.16 U8.17 U8.18 U8.19 U8.20 U8.21 U8.22 U8.23 U8.27 U9.4 U9.5 U9.15 U10.2 U10.3 U10.4 U10.5 U10.6 U10.7 U10.9 U10.12 U10.14 U10.15 U10.16 U10.17 U10.19 U10.21 U10.22 U11.5 U15.17 U15.18 U15.19 U15.20 U16.6 U17.1 U17.2 U17.4 U17.9 U17.10 U17.11 U17.12 U17.13 U17.14 U17.15 U18.5 U18.6 U18.8 U18.9 U18.10 U18.11 U18.12 U18.13 U18.14 U18.20 U18.22 U18.23 U18.24 U18.25 U18.26 U18.27 U18.28 U19.8 U19.13 U19.14 U19.18 U19.19 U20.10 U20.12 U20.16 U20.21 U20.22 U20.25 U20.26 U20.27 U20.28 U20.32 U21.10 U21.12 U21.16 U21.21 U21.22 U21.25 U21.26 U21.27 U21.28 U21.32 U34.10 U34.12 U34.16 U34.21 U34.22 U34.25 U34.26 U34.27 U34.28 U34.32 U36.10 U36.12 U36.16 U36.21 U36.22 U36.25 U36.26 U36.27 U36.28 U36.32

## Polygon pours and split planes (outlines as drawn)
5V on Bottom Layer "5V_L04_P010" (solid, pour order 10): 22.475,77 22.175,76.7 22.175,73.05 22.675,72.55 23.425,72.55 23.425,72.95 22.9,73.475 22.9,75.35 23.425,75.875 23.425,76.95 23.925,77.45 23.925,78.125 23.8,78.25 22.6,78.25 22.475,78.125
NetL2_2 on Bottom Layer "NETL2_2_L04_P001" (solid, pour order 1): 23.675,76.05 23.675,76.925 24.3,77.55 24.3,79.775 25.575,79.775 25.575,77.525 25,76.95 24.512,76.95 23.925,76.363 23.925,76.05
VBAT on Bottom Layer "VBAT_L04_P086" (solid, pour order 86): 17.1,105.5 17.5,105.1 17.5,104.2 18.1,103.6 22.2,103.6 22.6,103.2 22.6,98.8 22.9,98.5 24.2,98.5 24.8,99.1 24.8,100.9 25.3,101.4 28.1,101.4 29.1,100.4 29.1,99 29.5,98.6 36.1,98.6 36.5,99 36.5,100.5 37.6,101.6 40.1,101.6 40.4,101.3 40.4,99.1 40.9,98.6 43.2,98.6 43.5,98.9 43.5,103.1 43.8,103.4 47.9,103.4 48.4,103.9 48.4,104.9 48.7,105.2 52.3,105.2 47.5,110 18.5,110 14,105.5
GND on Bottom Layer "GND_L04_P079" (solid, pour order 79): 49.125,98.25 49.25,98.125 51.15,98.125 51.15,98.825 51.25,98.925 52.15,98.925 52.375,98.7 52.375,98.15 52.6,97.925 55.075,97.925 55.175,98.025 55.175,98.875 55.05,99 53,99 52.575,99.425 47.9,99.425 47.675,99.2 47.675,98.425 47.85,98.25
NetL2_1 on Bottom Layer "NETL2_1_L04_P002" (solid, pour order 2): 24.675,76.025 24.675,76.35 26.475,78.15 26.475,79.775 27.75,79.775 27.75,77.575 26.8,76.625 25.3,76.625 24.925,76.25 24.925,76.025
VSYS on Bottom Layer "VSYS_L04_P011" (solid, pour order 11): 23.325,68.4 22.975,68.05 22.975,65.925 26.55,65.925 26.55,67.425 26.925,67.8 29.375,67.8 29.95,68.375 29.95,70.025 28.575,70.025 28.575,69.175 28.225,68.825 24.875,68.825 24.275,69.425 24.275,70.1 23.325,70.1
3V3 on Bottom Layer "3V3_L04_P015" (solid, pour order 15): 28.375,75.775 28.675,75.475 28.675,72.625 29,72.3 30.05,72.3 30.125,72.375 30.125,72.85 29.575,73.4 29.575,75.25 30.15,75.825 30.15,76.975 29.775,77.35 29.775,78.125 29.675,78.225 28.475,78.225 28.375,78.125
ESP_3V3 on Bottom Layer "ESP_3V3_L04_P092" (solid, pour order 92): 19.35,27.525 19.35,28.4 18.95,28.8 18.95,30.3 19.225,30.575 19.5,30.575 19.875,30.95 19.875,33.5 20.05,33.675 20.75,33.675 20.9,33.525 20.9,30.8 20.6,30.5 20.35,30.25 20.35,27.8 20.075,27.525
NetC34_P$1 on Bottom Layer "NETC34_P$1_L04_P091" (solid, pour order 91): 38.1,74.125 38.1,72.1 37.8,71.8 36.775,71.8 36.45,71.475 35.925,71.475 35.65,71.2 35.65,70.75 35.8,70.6 36.6,70.6 38.3,70.6 39.35,70.6 39.45,70.7 39.45,71.15 38.75,71.85 38.75,74.125
VBAT on Bottom Layer "VBAT_L04_P090" (solid, pour order 90): 31.9,64.425 31.9,63.65 32.325,63.225 32.325,62.425 32.525,62.225 33.7,62.225 33.875,62.4 33.875,63.525 33.975,63.625 34.775,63.625 34.975,63.825 34.975,64.325 34.875,64.425
NetC46_P$1 on Bottom Layer "NETC46_P$1_L04_P089" (solid, pour order 89): 31.5,63.35 31.65,63.2 31.8,63.2 32,63 32,62.4 31.7,62.1 30.3,62.1 29.9,61.7 29.9,61 29.6,60.7 22.9,60.7 22.9,62.6 24.1,63.8 27.8,63.8 29.4,65.4 31.7,65.4 32.6,66.3 32.6,66.65 32.95,67 33.55,67 33.825,66.725 33.825,65.725 32.7,64.6 31.7,64.6 31.5,64.4 31.5,64.25
GND on Bottom Layer "GND_L04_P083" (solid, pour order 83): 51.2,102.625 51.2,104.8 51.05,104.95 48.725,104.95 48.575,104.8 48.575,104 48.725,103.85 49.125,103.85 49.4,103.575 49.4,102.625
ESC2_OUT3 on Bottom Layer "ESC2_OUT3_L04_P082" (solid, pour order 82): 49.4,101.325 51.85,101.325 52.65,100.525 52.65,99.75 53.15,99.25 55.125,99.25 55.125,100.8 53.55,102.375 49.4,102.375
VBAT on Bottom Layer "VBAT_L04_P081" (solid, pour order 81): 51.15,100.3 51.15,99.6 51.125,99.625 47.9,99.625 47.65,99.875 47.65,102.175 47.825,102.35 48.675,102.35 48.8,102.225 48.8,101.3 49.1,101 51.85,101 51.85,100.425 51.275,100.425
ESC2_OUT2 on Bottom Layer "ESC2_OUT2_L04_P080" (solid, pour order 80): 49.4,97.875 52.275,97.875 52.45,97.7 55.175,97.7 55.175,96.225 52.475,96.225 51.875,96.825 49.4,96.825
VBAT on Bottom Layer "VBAT_L04_P078" (solid, pour order 78): 51.85,96.5 49.025,96.5 48.825,96.7 48.825,97.675 48.7,97.8 47.825,97.8 47.7,97.675 47.7,95.275 47.825,95.15 48.65,95.15 48.75,95.15 48.925,95.075 51.15,95.075 51.15,95.775 51.3,95.925 51.85,95.925
GND on Bottom Layer "GND_L04_P077" (solid, pour order 77): 49.45,93.625 49.325,93.75 47.825,93.75 47.675,93.9 47.675,94.675 47.95,94.95 52,94.95 52.35,95.3 52.35,95.85 52.575,96.075 55,96.075 55.175,95.9 55.175,95.075 55.025,94.925 52.8,94.925 52.35,94.475 51.325,94.475 51.15,94.3 51.15,93.625
ESC2_OUT1 on Bottom Layer "ESC2_OUT1_L04_P076" (solid, pour order 76): 49.4,93.375 49.4,92.325 50.375,92.325 50.4,92.325 50.425,92.325 54.55,92.325 55.025,92.8 55.025,94.7 52.85,94.7 52.425,94.275 52.425,93.7 52.1,93.375
VBAT on Bottom Layer "VBAT_L04_P075" (solid, pour order 75): 51.15,90.6 47.8,90.6 47.625,90.775 47.625,93.075 47.825,93.275 48.65,93.275 48.825,93.1 48.825,92.3 49.125,92 51.85,92 51.85,91.425 51.275,91.425 51.15,91.3
VBAT on Bottom Layer "VBAT_L04_P070" (solid, pour order 70): 51.15,76.1 47.8,76.1 47.65,76.25 47.65,78.55 47.8,78.7 48.625,78.7 48.775,78.55 48.775,77.675 48.95,77.5 51.85,77.5 51.85,76.925 51.275,76.925 51.15,76.8
ESC3_OUT1 on Bottom Layer "ESC3_OUT1_L04_P074" (solid, pour order 74): 49.4,74.375 49.4,73.325 54.4,73.325 55.175,74.1 55.175,75.875 53.15,75.875 52.55,75.275 52.55,74.75 52.175,74.375
VBAT on Bottom Layer "VBAT_L04_P073" (solid, pour order 73): 51.85,73 49.1,73 48.8,73.3 48.8,73.875 48.575,74.1 47.8,74.1 47.65,73.95 47.65,71.5 47.775,71.375 48.6,71.375 48.825,71.6 51.15,71.6 51.15,72.325 51.25,72.425 51.85,72.425
GND on Bottom Layer "GND_L04_P072" (solid, pour order 72): 51.15,74.625 48.875,74.625 48.775,74.525 47.75,74.525 47.65,74.625 47.65,75.6 48,75.95 52.15,75.95 52.4,76.2 52.4,77.05 52.65,77.3 55.05,77.3 55.15,77.2 55.15,76.25 54.975,76.075 53.1,76.075 52.425,75.4 51.225,75.4 51.15,75.325
ESC3_OUT2 on Bottom Layer "ESC3_OUT2_L04_P071" (solid, pour order 71): 49.4,78.875 49.4,77.825 52.275,77.825 52.65,77.45 55.125,77.45 55.15,77.475 55.15,78.875
GND on Bottom Layer "GND_L04_P069" (solid, pour order 69): 51.15,79.125 47.9,79.125 47.65,79.375 47.65,80.225 47.9,80.475 52.65,80.475 52.95,80.175 55.1,80.175 55.175,80.1 55.175,79.275 55,79.1 52.6,79.1 52.275,79.425 52.275,79.7 52.05,79.925 51.3,79.925 51.175,79.8 51.15,79.8
VBAT on Bottom Layer "VBAT_L04_P068" (solid, pour order 68): 51.85,81.975 51.85,81.425 51.3,81.425 51.175,81.3 51.175,80.6 49.225,80.6 49.1,80.725 47.775,80.725 47.675,80.825 47.675,83.4 47.775,83.5 48.7,83.5 48.775,83.425 48.775,82.1 48.9,81.975
GND on Bottom Layer "GND_L04_P067" (solid, pour order 67): 49.45,83.625 51.15,83.625 51.15,84.35 51.475,84.675 53.875,84.675 54.075,84.875 54.075,85.725 53.925,85.875 50.475,85.875 49.525,84.925 49.45,84.85
ESC3_OUT3 on Bottom Layer "ESC3_OUT3_L04_P066" (solid, pour order 66): 49.4,82.35 52.225,82.35 52.825,81.75 52.825,80.6 52.975,80.45 55.125,80.45 55.125,82 53.75,83.375 49.4,83.375
VBAT on Bottom Layer "VBAT_L04_P057" (solid, pour order 57): 14.2,73 14.2,71.6 15.95,71.6 15.95,72.325 16.05,72.425 18.275,72.425 18.425,72.575 18.425,75.05 18.25,75.225 17.375,75.225 17.225,75.075 17.225,73.2 17.025,73
GND on Bottom Layer "GND_L04_P058" (solid, pour order 58): 15.95,83.625 15.95,85.025 15.35,85.625 11.575,85.625 11.275,85.325 11.275,84.125 11.775,83.625
ESC4_OUT3 on Bottom Layer "ESC4_OUT3_L04_P056" (solid, pour order 56): 11,75.9 12.875,75.9 13.075,75.7 13.075,74.75 13.45,74.375 16.65,74.375 16.65,73.325 12.125,73.325 11,74.45
GND on Bottom Layer "GND_L04_P055" (solid, pour order 55): 10.925,76.3 11.1,76.125 13.05,76.125 13.275,75.9 13.275,74.975 13.625,74.625 15.975,74.625 15.975,75.325 16.025,75.375 16.025,75.7 15.875,75.85 14.175,75.85 13.95,76.075 13.95,76.85 13.575,77.225 11.075,77.225 10.925,77.075
ESC4_OUT2 on Bottom Layer "ESC4_OUT2_L04_P054" (solid, pour order 54): 16.625,78.9 16.6,78.9 11,78.9 11,77.45 13.7,77.45 14.075,77.825 16.65,77.825 16.65,78.9
VBAT on Bottom Layer "VBAT_L04_P053" (solid, pour order 53): 14.2,77.5 14.2,76.1 15.95,76.1 15.95,76.8 16.075,76.925 18.3,76.925 18.45,77.075 18.45,79.525 18.3,79.675 17.4,79.675 17.25,79.525 17.25,77.7 17.05,77.5
GND on Bottom Layer "GND_L04_P052" (solid, pour order 52): 15.975,79.125 15.975,79.9 16.05,79.975 16.05,80.225 15.925,80.35 14.15,80.35 14,80.2 11.05,80.2 10.9,80.05 10.9,79.2 10.975,79.125
VBAT on Bottom Layer "VBAT_L04_P051" (solid, pour order 51): 14.2,82 14.2,80.6 15.95,80.6 15.95,81.35 16.025,81.425 17.25,81.425 17.35,81.325 18.35,81.325 18.475,81.45 18.475,84.1 18.35,84.225 17.35,84.225 17.2,84.075 17.2,82.275 16.925,82
VBAT on Bottom Layer "VBAT_L04_P047" (solid, pour order 47): 14.2,92 14.2,90.6 15.95,90.6 15.95,91.325 16.05,91.425 18.325,91.425 18.45,91.55 18.45,94.1 18.3,94.25 17.35,94.25 17.225,94.125 17.225,92.325 16.9,92
VBAT on Bottom Layer "VBAT_L04_P045" (solid, pour order 45): 14.2,96.5 14.2,95.1 15.95,95.1 15.95,95.875 16,95.925 17.275,95.925 17.35,95.85 18.25,95.85 18.35,95.95 18.35,98.575 18.225,98.7 17.4,98.7 17.275,98.575 17.275,96.775 17,96.5
ESC4_OUT1 on Bottom Layer "ESC4_OUT1_L04_P050" (solid, pour order 50): 16.65,83.375 12.4,83.375 11,81.975 11,80.4 13.125,80.4 13.35,80.625 13.35,82 13.675,82.325 16.65,82.325
GND on Bottom Layer "GND_L04_P048" (solid, pour order 48): 14.175,102.625 14.175,104.925 14.3,105.05 16.75,105.05 16.925,104.875 16.925,104.025 16.725,103.825 16.225,103.825 16,103.6 16,102.625
GND on Bottom Layer "GND_L04_P039" (solid, pour order 39): 11.125,98.075 11.3,97.9 13.775,97.9 14,98.125 16,98.125 16,99.075 15.8,99.275 14.175,99.275 13.925,99.025 11.25,99.025 11.125,98.9
VBAT on Bottom Layer "VBAT_L04_P044" (solid, pour order 44): 15.95,99.6 15.95,100.35 16.025,100.425 18.225,100.425 18.375,100.575 18.375,103.15 18.275,103.25 17.375,103.25 17.25,103.125 17.25,101.225 17.05,101.025 14.2,101.025 14.2,99.6
ESC1_OUT3 on Bottom Layer "ESC1_OUT3_L04_P042" (solid, pour order 42): 10.9,94.775 12.95,94.775 13.175,94.55 13.175,93.8 13.6,93.375 16.65,93.375 16.65,92.325 12.375,92.325 11.55,93.15 10.9,93.15
GND on Bottom Layer "GND_L04_P041" (solid, pour order 41): 15.975,93.625 13.75,93.625 13.375,94 13.375,94.6 13.05,94.925 11.3,94.925 11.125,95.1 11.125,95.8 11.3,95.975 13.8,95.975 13.925,95.85 13.925,94.9 14.05,94.775 15.825,94.775 15.975,94.625
ESC1_OUT2 on Bottom Layer "ESC1_OUT2_L04_P038" (solid, pour order 38): 10.9,97.775 16.65,97.775 16.65,96.83 14.09,96.83 13.41,96.15 10.9,96.15
ESC1_OUT1 on Bottom Layer "ESC1_OUT1_L04_P037" (solid, pour order 37): 16.65,101.33 13.99,101.33 13.45,100.79 13.45,99.55 13.125,99.225 10.9,99.225 10.9,100.7 12.59,102.39 16.65,102.39
NetL3_1 on Bottom Layer "NETL3_1_L04_P026" (solid, pour order 26): 31.375,75.975 31.375,76.725 32.475,77.825 32.475,79.775 33.75,79.775 33.75,77.55 33.15,76.95 32.175,76.95 31.625,76.4 31.625,75.975
NetL3_2 on Bottom Layer "NETL3_2_L04_P025" (solid, pour order 25): 30.3,79.775 30.3,77.15 30.375,77.075 30.375,76 30.625,76 30.625,76.775 31,77.15 31.325,77.15 31.575,77.4 31.575,79.775
NetC43_P$1 on Bottom Layer "NETC43_P$1_L04_P016" (solid, pour order 16): 28.85,71.375 28.95,71.275 30.75,71.275 31.025,71 32.15,71 32.775,70.375 33.7,70.375 33.9,70.575 33.9,71.75 33.7,71.95 31.375,71.95 31.125,72.2 31.125,72.725 30.875,72.725 30.875,72.425 30.475,72.025 28.925,72.025 28.85,71.95
BAT_RAW on Bottom Layer "BAT_RAW_L04_P014" (solid, pour order 14): 38.075,79.2 38.075,77.825 37.575,77.325 34.6,77.325 34.35,77.075 34.35,74.325 34.575,74.1 37.575,74.1 37.75,74.275 37.75,76.7 38.775,77.725 38.775,79.2 38.675,79.3 38.175,79.3
VBUS on Bottom Layer "VBUS_L04_P012" (solid, pour order 12): 27.45,67.175 27.45,65.65 31.45,65.65 32.1,66.3 32.1,66.8 32.475,67.175 33.425,67.175 33.575,67.325 33.575,68.025 33.425,68.175 31.975,68.175 31.85,68.05 31.85,67.4 31.5,67.05 29.725,67.05 29.6,67.175
NetC39_P$1 on Bottom Layer "NETC39_P$1_L04_P004" (solid, pour order 4): 24.425,72.725 24.425,72.2 24.775,71.85 26.15,71.85 26.375,72.075 26.375,72.575 26.5,72.7 28.175,72.7 28.325,72.55 28.325,71.975 28.15,71.8 27.3,71.8 26.975,71.475 26.975,71.075 26.85,70.95 25.65,70.95 25.3,71.3 23.375,71.3 23.225,71.45 23.225,72.075 23.35,72.2 24,72.2 24.175,72.375 24.175,72.725
GND on Top Layer "NONET_L04_P-001" (solid, pour order 97): 10.525,101.975 10.525,72.975 15.5,68 15.5,16.4 21.95,9.95 44.125,9.95 50.55,16.375 50.55,68 55.525,72.975 55.525,101.975 47.525,109.975 18.5,109.975
VBAT on Top Layer "VBAT_L01_P085" (solid, pour order 85): 20.25,89.325 20.25,90.125 20.15,90.225 19.725,90.225 18.6,89.1 17.425,89.1 17.15,88.825 17.15,85.2 17.775,84.575 18.925,84.575 19.275,84.225 20.15,84.225 20.25,84.325 20.25,85
BAT_RAW on Top Layer "NONET_L04_P-001" (solid, pour order 95): 34.45,74.675 34.75,74.375 37.525,74.375 37.725,74.575 37.725,76.25 37.375,76.6 34.775,76.6 34.45,76.275
VBAT on Top Layer "VBAT_L01_P088" (solid, pour order 88): 45.8,90.3 45.8,84.2 46.5,84.2 47.7,85.4 48.4,85.4 48.9,85.9 48.9,88.3 48.7,88.5 48.1,88.5 46.3,90.3
VBAT on Int2 Layer "NONET_L04_P-001" (solid, pour order 96): 10.525,101.975 10.525,72.975 12.475,71.025 47.925,71.025 53.575,71.025 55.525,72.975 55.525,101.975 47.525,109.975 18.5,109.975 18.475,109.95

## Keep-outs
Keep-Out Layer:
  lines w0.152: 22.525,109.964 43.525,109.964 ; 23.025,9.964 43.015,9.964

## Other copper
Bottom Layer:
  pour cut-out: 15.5,54.263 19.65,54.263 19.65,42.713 15.5,42.713

## Silkscreen, mask and mechanical layers (free items; w line width, h text height)
Top Overlay:
  text "TARSystems" at 18.05,52.622 h3 r270
  text "X150" at 48.886,33.95 h3 r90
Dimension:
  lines w0.152: 15.514,102.964 15.525,102.964 ; 55.525,72.96 55.52,72.96 ; 55.52,72.96 55.52,101.96 55.52,101.97 47.526,109.964 18.504,109.964 10.53,101.99 10.53,101.98 10.53,72.98 15.52,67.99 15.52,29.469 15.52,16.381 15.544,16.381 21.95,9.975 44.15,9.975 50.55,16.375 50.55,16.381 50.55,29.488 50.55,67.99 55.52,72.96

## Text inside footprints (layer, text, board x,y; h text height)
B1: tFinish "0.813in/20.65mm" at 33.025,18.39 h0.4 r90; tFinish "0.406in/10.325mm" at 27.862,17.12 h0.4 r90; tFinish "0.315in/8.001mm" at 29.024,22.2 h0.4 r90; tFinish "-0.315in/-8.001mm" at 37.025,25.375 h0.4 r90; tFinish "0in/0mm" at 33.025,117.742 h0.4 r90; tFinish "3.404in/86.462mm" at 11.778,71.463 h0.4 r90; tFinish "0in/0mm" at 14.318,71.463 h0.4 r90; tFinish "0in/0mm" at 16.858,71.463 h0.4 r90; tFinish "3.125in/79.375mm" at 20.033,11.932 h0.4 r90; tFinish "Alt Padstyle 2: OX90Y60D30P" at 59.479,71.463 h0.79 r90; tFinish "Alt Padstyle 1: OX60Y90D30P" at 57.574,71.463 h0.79 r90; tFinish "Right Mtg Padstyle: RX50Y100D30P" at 55.669,71.463 h0.79 r90; tFinish "Left Mtg Padstyle: RX50Y100D30P" at 53.764,71.463 h0.79 r90; tFinish "3rd Mtg Padstyle: EX94Y94D94P" at 51.859,71.463 h0.79 r90; tFinish "2nd Mtg Padstyle: EX136Y136D136P" at 49.954,71.463 h0.79 r90; tFinish "1st Mtg Padstyle: EX136Y136D136P" at 48.049,71.463 h0.79 r90; tFinish "Default Padstyle: RX294Y255D0T" at 46.144,71.463 h0.79 r90
C75: tFinish "0.039in/1mm" at 19.15,85.761 h0.4; tFinish "0.134in/3.4mm" at 20.35,83.221 h0.4; tFinish "0.063in/1.6mm" at 26.775,88.338 h0.4; tFinish "0.051in/1.3mm" at 24.235,88.338 h0.4; tFinish "Alt 2 Padstyle: OX90Y60D30P" at 20.35,78.014 h0.79; tFinish "Alt 1 Padstyle: OX60Y90D30P" at 20.35,79.919 h0.79; tFinish "Default Padstyle: RX55p33Y51p18D0T" at 20.35,81.824 h0.79
C77: tFinish "Default Padstyle: RX55p33Y51p18D0T" at 45.7,92.578 h0.79 r180; tFinish "Alt 1 Padstyle: OX60Y90D30P" at 45.7,94.483 h0.79 r180; tFinish "Alt 2 Padstyle: OX90Y60D30P" at 45.7,96.388 h0.79 r180; tFinish "0.051in/1.3mm" at 41.816,86.063 h0.4 r180; tFinish "0.063in/1.6mm" at 39.276,86.063 h0.4 r180; tFinish "0.134in/3.4mm" at 45.7,91.181 h0.4 r180; tFinish "0.039in/1mm" at 46.9,88.641 h0.4 r180
C97: tFinish "Default Padstyle: RX55p33Y51p18D0T" at 45.7,94.828 h0.79 r180; tFinish "Alt 1 Padstyle: OX60Y90D30P" at 45.7,96.733 h0.79 r180; tFinish "Alt 2 Padstyle: OX90Y60D30P" at 45.7,98.638 h0.79 r180; tFinish "0.051in/1.3mm" at 41.816,88.313 h0.4 r180; tFinish "0.063in/1.6mm" at 39.276,88.313 h0.4 r180; tFinish "0.134in/3.4mm" at 45.7,93.431 h0.4 r180; tFinish "0.039in/1mm" at 46.9,90.891 h0.4 r180
C99: tFinish "Default Padstyle: RX55p33Y51p18D0T" at 20.35,79.498 h0.79; tFinish "Alt 1 Padstyle: OX60Y90D30P" at 20.35,77.593 h0.79; tFinish "Alt 2 Padstyle: OX90Y60D30P" at 20.35,75.688 h0.79; tFinish "0.051in/1.3mm" at 24.235,86.013 h0.4; tFinish "0.063in/1.6mm" at 26.775,86.013 h0.4; tFinish "0.134in/3.4mm" at 20.35,80.895 h0.4; tFinish "0.039in/1mm" at 19.15,83.435 h0.4
F1: tFinish "Default Pad Style: RX70Y138D0T" at 18.934,64.238 h0.79 r270; tFinish "Alternate 1 Pad Style: OX60Y90D30P" at 16.394,64.238 h0.79 r270; tFinish "0.276in/7.01mm" at 20,64.238 h0.4 r270; tFinish "0.136in/3.454mm" at 29.5,64.238 h0.4 r270; tFinish "0.186in/4.724mm" at 32.04,64.238 h0.4 r270; tFinish "0.134in/3.404mm" at 24.75,59.438 h0.4 r270
J6: tFinish "0.05in/1.27mm" at 23.875,68.368 h0.4 r270; tFinish "0.171in/4.35mm" at 28.955,66.463 h0.4 r270; tFinish "0.25in/6.35mm" at 31.495,66.463 h0.4 r270; tFinish "0.154in/3.9mm" at 19.125,60.24 h0.4 r270; tFinish "0in/0mm" at 19.125,72.686 h0.4 r270; tFinish "0.3in/7.62mm" at 22.935,75.226 h0.4 r270; tFinish "0.067in/1.702mm" at 19.976,77.766 h0.4 r270; tFinish "0.134in/3.404mm" at 19.976,80.306 h0.4 r270